# Altium PCB ie-track-kit-arduino-1.PcbDoc (part 1 of 3) (continued)
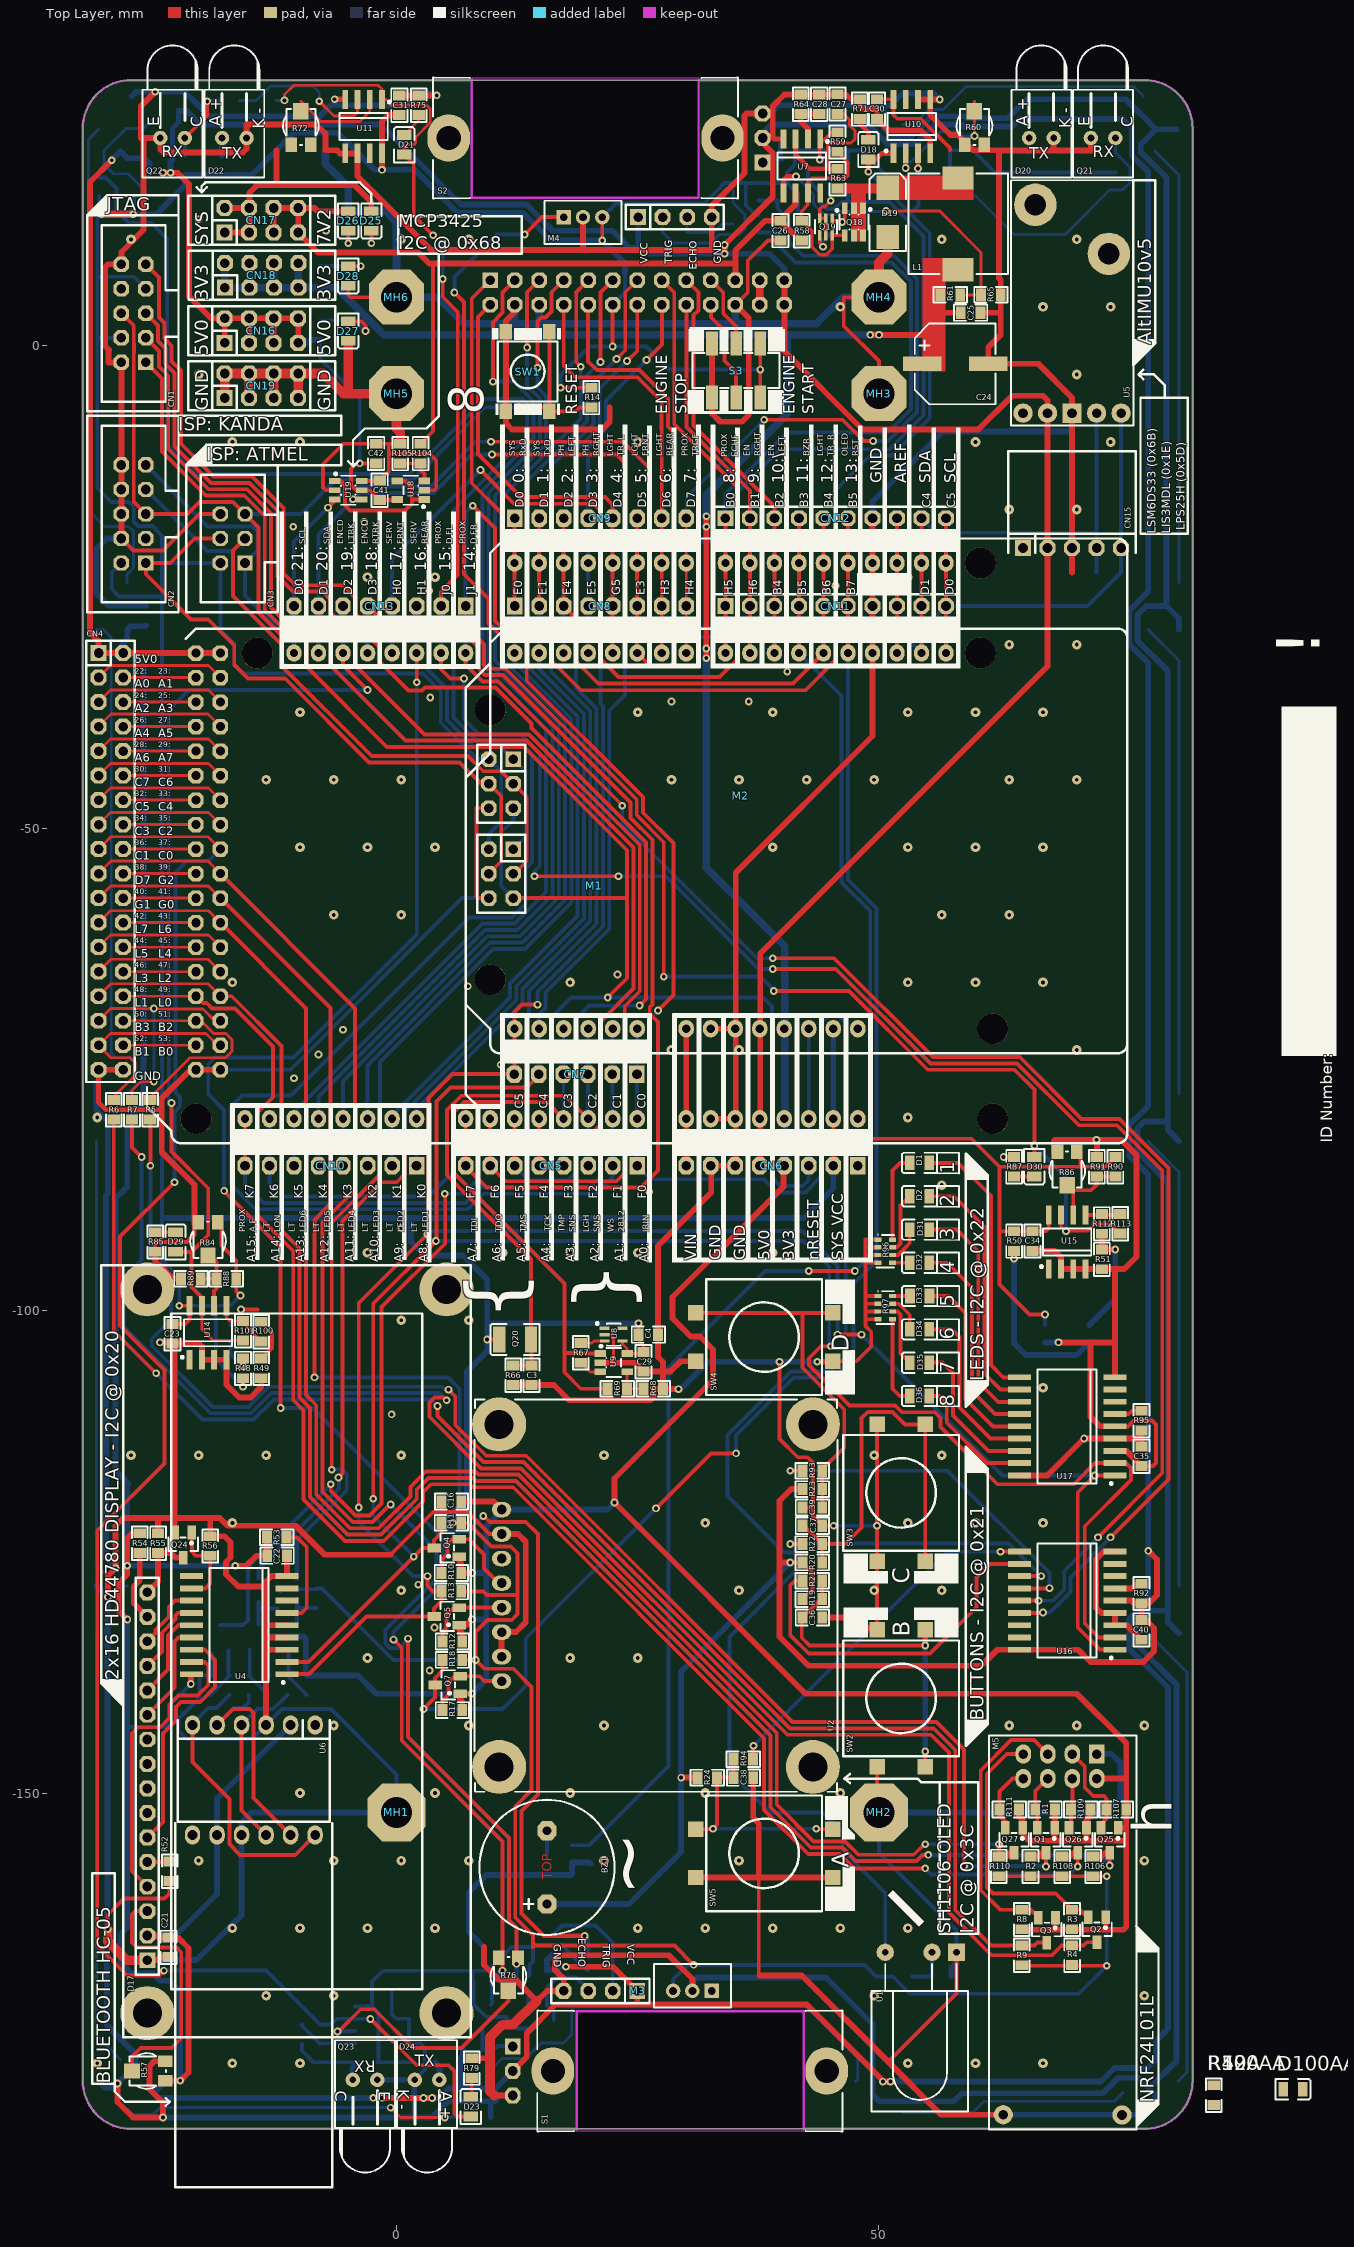
[diagram p0: Top Layer view]
## Footprints (in the part's own frame and the unit in brackets; to place one, negate y for a bottom-side part, rotate by r counter-clockwise, add the part's x,y. Pads: shape width x height; smd on the part's side, far side on the other; paste and mask are expansions set on the pad)
"3mm screw drill I"#1 [mm]
  oct 6x6 hole 3.2: 1(0,0)
  body extent -2.75,-2.75 2.75,2.75, height 2
"3mm screw drill I"#2 [mm]
  oct 5.7x5.7 hole 3.2: 1(0,0)
  body extent -2.75,-2.75 2.75,2.75, height 2
3305SMD [mm] "SRPassives 3305 SMT trimming potentiometer"
  rect 1.2x1.5 smd: 1(-1,-1.95) 2(1,-1.95)
  rect 1.6x1.7 smd: 3(0,1.5)
  silkscreen extent -1.85,-2 1.85,1.75, body extent -1.85,-2 1.85,1.85, height 1.2
"AltIMU-10 v4_REVERSE" [mm] "Pololu Gyro, Accelerometer, Compass, and Altimeter (L3GD20H, LSM303D, and LPS25H Carrier)"
  rect 2x2 hole 1: 1(-1.27,0)
  round 2 hole 1: 3(-1.27,-2.54) 4(-1.27,-5.08) 5(-1.27,2.54) 6(-1.27,5.08)
  round 4.4 hole 2.2: M(-22.86,-3.81) M(-17.78,3.81)
  silkscreen extent -25.4,-6.35 0,6.35, body extent -25.4,-6.35 0,6.35, height 1
ARDUINO_MEGA_UPSIDE_DOWN [mm]
  round 3.2 hole 3.2: 1(-41.275,24.13) 1(-40.005,-24.13) 1(34.925,-24.13) 1(41.275,24.13)
  oct 1.6x1.6 hole 0.95: 5V(38.735,-24.13) 5V(41.275,-24.13) D22(38.735,-21.59) D23(41.275,-21.59) D24(38.735,-19.05) D25(41.275,-19.05) D26(38.735,-16.51) D27(41.275,-16.51) D28(38.735,-13.97) D29(41.275,-13.97) D30(38.735,-11.43) D31(41.275,-11.43) D32(38.735,-8.89) D33(41.275,-8.89) D34(38.735,-6.35) D35(41.275,-6.35) D36(38.735,-3.81) D37(41.275,-3.81) D38(38.735,-1.27) D39(41.275,-1.27) D40(38.735,1.27) D41(41.275,1.27) D42(38.735,3.81) D43(41.275,3.81) D44(38.735,6.35) D45(41.275,6.35) D46(38.735,8.89) D47(41.275,8.89) D48(38.735,11.43) D49(41.275,11.43) D50(38.735,13.97) D51(41.275,13.97) D52(38.735,16.51) D53(41.275,16.51) GND(38.735,19.05) GND(41.275,19.05)
  oval 1.6x1.8 hole 0.85: A0(-4.445,24.13) A1(-1.905,24.13) A2(0.635,24.13) A3(3.175,24.13) A4(5.715,24.13) A5(8.255,24.13) A6(10.795,24.13) A7(13.335,24.13) A8(18.415,24.13) A9(20.955,24.13) A10(23.495,24.13) A11(26.035,24.13) A12(28.575,24.13) A13(31.115,24.13) A14(33.655,24.13) A15(36.195,24.13) AREF(-31.369,-24.13) D0(8.255,-24.13) D1(5.715,-24.13) D2(3.175,-24.13) D3(0.635,-24.13) D4(-1.905,-24.13) D5(-4.445,-24.13) D6(-6.985,-24.13) D7(-9.525,-24.13) D8(-13.589,-24.13) D9(-16.129,-24.13) D10(-18.669,-24.13) D11(-21.209,-24.13) D12(-23.749,-24.13) D13(-26.289,-24.13) D14(13.335,-24.13) D15(15.875,-24.13) D16(18.415,-24.13) D17(20.955,-24.13) D18(23.495,-24.13) D19(26.035,-24.13) D20(28.575,-24.13) D21(31.115,-24.13) GND(-28.829,-24.13) P1(-27.305,24.13) P2(-24.765,24.13) P3(-22.225,24.13) P4(-19.685,24.13) P5(-17.145,24.13) P6(-14.605,24.13) P7(-12.065,24.13) P8(-9.525,24.13) SCL(-36.449,-24.13) SDA(-33.909,-24.13)
  rect 1.6x1.6 hole 1: PROG1(8.382,-3.81)
  oct 1.6x1.6 hole 1: PROG2(10.922,-3.81) PROG3(8.382,-1.27) PROG4(10.922,-1.27) PROG5(8.382,1.27) PROG6(10.922,1.27)
  silkscreen extent -55.24,-26.67 46.35,26.67, body extent -61.59,-26.67 46.36,26.67, height 15.6
ARDUINO_UNO_UPSIDE_DOWN [mm]
  round 3.2 hole 3.2: 1(-26.035,24.13) 1(-24.765,-24.13) 1(26.035,-8.89) 1(26.035,19.05)
  oval 1.6x1.8 hole 0.85: A0(10.795,24.13) A1(13.335,24.13) A2(15.875,24.13) A3(18.415,24.13) A4(20.955,24.13) A5(23.495,24.13) AREF(-16.129,-24.13) D0(23.495,-24.13) D1(20.955,-24.13) D2(18.415,-24.13) D3(15.875,-24.13) D4(13.335,-24.13) D5(10.795,-24.13) D6(8.255,-24.13) D7(5.715,-24.13) D8(1.651,-24.13) D9(-0.889,-24.13) D10(-3.429,-24.13) D11(-5.969,-24.13) D12(-8.509,-24.13) D13(-11.049,-24.13) GND(-13.589,-24.13) P1(-12.065,24.13) P2(-9.525,24.13) P3(-6.985,24.13) P4(-4.445,24.13) P5(-1.905,24.13) P6(0.635,24.13) P7(3.175,24.13) P8(5.715,24.13) SCL(-21.209,-24.13) SDA(-18.669,-24.13)
  rect 1.6x1.6 hole 1: PROG1(23.622,-3.81)
  oct 1.6x1.6 hole 1: PROG2(26.162,-3.81) PROG3(23.622,-1.27) PROG4(26.162,-1.27) PROG5(23.622,1.27) PROG6(26.162,1.27)
  silkscreen extent -40.01,-26.67 28.57,26.67, body extent -46.35,-26.67 28.58,26.67, height 15.55
BUZ-13,8-7,6 [mm] "BUZZER (w or w/o generator), D:13,8mm, P:7,6mm (eg. BPT1412XH7.5)"
  oct 2x2 hole 0.9: 1(-3.8,0) 2(3.8,0)
  silkscreen extent -7,-7 7,7, body extent -7,-7 7,7, height 7.35
C0805 [mil]
  rect 40x50 smd: 1(-40,0) 2(40,0)
  silkscreen extent -68,-33 68,33, body extent -39,-25 39,25, height 31
CES_E_8.3x8.3_6.2 [mm] "SMT Aluminum Electrolytic Capacitor, E Size; base: 8.3x8.3mm, height: 6.2mm"
  rect 1.5x4 smd: 1(0,3.429) 2(0,-3.429)
  silkscreen extent -4.19,-4.19 4.19,4.19, body extent -4.15,-4.5 4.15,4.5, height 6.2
DTSM-25Y [mm] "Diptronics SPST-NO, 50mA/12VDC Yellow TACT Switch"
  rect 1.6x1.6 smd: 1(-7.1,-2.5) 1(7.1,-2.5) 2(-7.1,2.5) 2(7.1,2.5)
  silkscreen extent -6,-6 6,6, body extent -7.5,-6 7.5,6, height 8.5
DTSM-65R [mm] "Diptronics SPST-NO, 50mA/12VDC Red TACT Switch"
  rect 1.6x1.3 smd: 1(-4.125,-2.25) 1(4.125,-2.25) 2(-4.125,2.25) 2(4.125,2.25)
  silkscreen extent -3.1,-3.1 3.1,3.1, body extent -4.54,-3.1 4.54,3.1, height 9.55
GP_4x2 [mil]
  rect 65x65 hole 39.37: 1(0,0)
  oct 65x65 hole 39.37: 2(0,100) 3(100,0) 4(100,100) 5(200,0) 6(200,100) 7(300,0) 8(300,100)
  silkscreen extent -50,-50 350,150, body extent -50,-50 350,150, height 330
GP_5x1H_F [mil]
  rect 65x65 hole 39.37: 1(0,0)
  oct 65x65 hole 39.37: 2(100,0) 3(200,0) 4(300,0) 5(400,0)
  silkscreen extent -60,-20 460,395, body extent -60,-10 460,393, height 97
GP_6X1 [mm]
  rect 1.6x1.8 hole 1: 1(0,0)
  oct 1.6x1.8 hole 1: 2(2.54,0) 3(5.08,0) 4(7.62,0) 5(10.16,0) 6(12.7,0)
  body extent -1.27,-1.27 13.97,1.27, height 8.38
GP_8X1 [mm]
  rect 1.6x1.8 hole 1: 1(0,0)
  oct 1.6x1.8 hole 1: 2(2.54,0) 3(5.08,0) 4(7.62,0) 5(10.16,0) 6(12.7,0) 7(15.24,0) 8(17.78,0)
  body extent -1.27,-1.27 19.05,1.27, height 8.38
GP_10x1 [mil]
  rect 65x65 hole 39.37: 1(0,0)
  oct 62.99x65 hole 39.37: 2(100,0) 3(200,0) 5(400,0) 6(500,0)
  oct 65x65 hole 39.37: 4(300,0) 7(600,0) 8(700,0) 9(800,0) 10(900,0)
  silkscreen extent -50,-50 950,47, body extent -50,-50 950,50, height 330
GP_18x2 [mil]
  rect 65x65 hole 39.37: 1(0,-100)
  oct 65x65 hole 39.37: 2(0,0) 3(100,-100) 4(100,0) 5(200,-100) 6(200,0) 7(300,-100) 8(300,0) 9(400,-100) 10(400,0) 11(500,-100) 12(500,0) 13(600,-100) 14(600,0) 15(700,-100) 16(700,0) 17(800,-100) 18(800,0) 19(900,-100) 20(900,0) 21(1000,-100) 22(1000,0) 23(1100,-100) 24(1100,0) 25(1200,-100) 26(1200,0) 27(1300,-100) 28(1300,0) 29(1400,-100) 30(1400,0) 31(1500,-100) 32(1500,0) 33(1600,-100) 34(1600,0) 35(1700,-100) 36(1700,0)
  silkscreen extent -50,-150 1750,47, body extent -50,-150 1750,50, height 330
HC-05_H_2 [mm] "HC-05 Bluetooth Module, Mounted Horizontally"
  oval 1.6x2 hole 1: 1(-6.35,11.4) 1(6.35,0) 2(-3.81,11.4) 2(3.81,0) 3(-1.27,11.4) 3(1.27,0) 4(-1.27,0) 4(1.27,11.4) 5(-3.81,0) 5(3.81,11.4) 6(-6.35,0) 6(6.35,11.4)
  silkscreen extent -8.13,-0.51 8.13,47.9, body extent -7.87,-0.25 7.87,47.6, height 6.41
HC-SR04_UNIV#1 [mm]
  round 1.5 hole 0.8: 1(-3.667,0) 6(-5.667,0)
  rect 1.5x1.5 hole 0.8: 2(-7.668,0)
  rect 1.651x1.651 hole 1: 3(0.048,0)
  oct 1.651x1.651 hole 1: 4(2.588,0) 5(5.128,0) 6(7.668,0)
  silkscreen extent -9.67,-2.8 8.94,1.7, body extent -9.62,-2.8 8.94,1.7, height 8.38
HC-SR04_UNIV#2 [mm]
  round 1.5 hole 0.8: 1(-3.667,0) 6(-5.667,0)
  rect 1.5x1.5 hole 0.8: 2(-7.668,0)
  rect 1.651x1.651 hole 1: 3(0.048,0)
  oct 1.651x1.651 hole 1: 4(2.588,0)
  oct 1.6x1.651 hole 1: 5(5.128,0) 6(7.668,0)
  silkscreen extent -9.67,-2.8 8.94,1.7, body extent -9.62,-2.8 8.94,1.7, height 8.38
HD-1581HB_VERTICAL_1 [mm]
  rect 1.651x1.651 hole 1: 1(12.946,-2.54)
  oct 1.651x1.651 hole 1: 2(12.946,0) 3(12.946,2.54)
  oval 4.4x4.9 hole 2.5: M(-19.585,0) M(8.785,0)
  Keep-Out Layer board cut-out: -17.15,-6.25 -17.15,6.25 6.35,6.25 6.35,-6.25
  silkscreen extent -21.21,-6.25 10.41,6.25, body extent -21,-6 14.22,6, height 14.95
IDC6 [mm] "2.54mm, 6 Pin IDC Male Connector"
  rect 1.6x1.6 hole 1: 1(-2.54,-1.27)
  oct 1.6x1.6 hole 1: 2(-2.54,1.27) 3(0,-1.27) 4(0,1.27) 5(2.54,-1.27) 6(2.54,1.27)
  silkscreen extent -7.62,-4.64 7.61,4.83, body extent -7.62,-4.57 7.62,4.7, height 9.29
IDC10 [mm] "2.54mm, 10 Pin IDC Male Connector"
  rect 1.6x1.6 hole 1: 1(-5.08,-1.27)
  oct 1.6x1.6 hole 1: 2(-5.08,1.27) 3(-2.54,-1.27) 4(-2.54,1.27) 5(0,-1.27) 6(0,1.27) 7(2.54,-1.27) 8(2.54,1.27) 9(5.08,-1.27) 10(5.08,1.27)
  silkscreen extent -10.16,-4.64 10.16,4.83, body extent -10.16,-4.65 10.16,4.83, height 9.27
IDC26_RA_LONG_W_CN [mm] "2.54mm, 26 Pin IDC Male Connector, Right Angle"
  rect 1.6x1.6 hole 1: 1(-15.24,-1.27)
  oct 1.6x1.6 hole 1: 2(-15.24,1.27) 3(-12.7,-1.27) 4(-12.7,1.27) 5(-10.16,-1.27) 6(-10.16,1.27) 7(-7.62,-1.27) 8(-7.62,1.27) 9(-5.08,-1.27) 10(-5.08,1.27) 11(-2.54,-1.27) 12(-2.54,1.27) 13(0,-1.27) 14(0,1.27) 15(2.54,-1.27) 16(2.54,1.27) 17(5.08,-1.27) 18(5.08,1.27) 19(7.62,-1.27) 20(7.62,1.27) 21(10.16,-1.27) 22(10.16,1.27) 23(12.7,-1.27) 24(12.7,1.27) 25(15.24,-1.27) 26(15.24,1.27)
  silkscreen extent -20.32,3.1 20.32,11.9, body extent -20.37,-1.64 20.31,21.3, height 9.13
JS202011SCQN [mm] "C&K DPDT Switch"
  rect 1.2x2.5 smd: 1(0,2.8) 2(-2.5,2.8) 3(2.5,2.8) 4(-2.5,-2.8) 5(0,-2.8) 6(2.5,-2.8)
  silkscreen extent -4.5,-1.8 4.5,1.8, body extent -4.5,-3.5 4.5,3.5, height 5.5
KPS-3227 [mm]
  rect 1.27x2.7 smd: 1(-1.65,0) 2(1.65,0)
  silkscreen extent -2.52,-1.6 2.58,1.6, body extent -1.6,-1.35 1.6,1.35, height 1.12
KTIR0711S [mm]
  rect 1.2x1 smd: 1(-2.3,-0.9) 2(-2.3,0.9) 3(2.3,0.9) 4(2.3,-0.9)
  silkscreen extent -1.5,-1.7 1.5,1.7, body extent -2.6,-1.7 2.6,1.7, height 1.5
LED0805G [mil]
  rect 40x60 smd: 1(-40,0) 2(40,0)
  silkscreen extent -72,-41 72,41, body extent -40,-25 40,25, height 43
LED0805R [mil]
  rect 40x60 smd: 1(-40,0) 2(40,0)
  silkscreen extent -72,-41 72,41, body extent -40,-25 40,25, height 43
LED0805Y [mil]
  rect 40x60 smd: 1(-40,0) 2(40,0)
  silkscreen extent -72,-41 72,41, body extent -40,-25 40,25, height 43
LED-502 [mm] "FIX&FASTEN"
  round 1.5 hole 0.7: 1(-1.27,0) 2(1.27,0)
  silkscreen extent -3.1,-4.1 3.1,9.6, body extent -3.05,-4.08 3.05,10.4, height 6.17
NRF24L01L [mm]
  rect 2x1.6 hole 1: 1(0,0)
  oval 2x1.6 hole 1: 2(-2.54,0) 3(0,2.54) 4(-2.54,2.54) 5(0,5.08) 6(-2.54,5.08) 7(0,7.62) 8(-2.54,7.62)
  round 2 hole 1: 9(-37.375,9.7) 10(-37.4,-2.6)
  silkscreen extent -38.89,-4.1 1.91,11.2, body extent -46.77,-4.1 1.9,11.2, height 14.24
PSDB1005 [mm] "PSDB Series Shielded SMD Power Inductor"
  rect 2.4x3.2 smd: 1(-4.75,0) 2(4.75,0)
  silkscreen extent -5.2,-5.15 5.2,5.15, body extent -5.2,-5.2 5.2,5.2, height 4.85
R0805 [mil]
  rect 40x50 smd: 1(-40,0) 2(40,0)
  silkscreen extent -68,-32 68,32, body extent -39,-25 39,25, height 31
RC1602B-GHY-CSXD [mm]
  rect 1.6x1.651 hole 1: 1(0,0)
  oct 1.6x1.651 hole 1: 2(2.54,0) 3(5.08,0) 4(7.62,0) 10(22.86,0) 11(25.4,0)
  oct 1.651x1.651 hole 1: 5(10.16,0) 6(12.7,0) 7(15.24,0) 8(17.78,0) 9(20.32,0) 12(27.94,0) 13(30.48,0) 14(33.02,0) 15(35.56,0) 16(38.1,0)
  round 5.6 hole 3: M1(-5.5,0) M1(-5.5,-31) M1(69.5,-31) M1(69.5,0)
  silkscreen extent -8,-33.5 72,2.5, body extent -8,-33.5 72,2.5, height 20.4
RPack_0603x4_1206 [mm] "Chip Resistor Array, (0603x4); SM; 8 Leads; Body 3.40 x 1.80 mm (LxW max), e.g. Bourns CAT16-J4, Panasonic EXBV8V"
  rect 0.45x0.7 smd: 1(-1.2,-0.75) 2(-0.4,-0.75) 3(0.4,-0.75) 4(1.2,-0.75) 5(1.2,0.75) 6(0.4,0.75) 7(-0.4,0.75) 8(-1.2,0.75)
  silkscreen extent -1.75,-0.9 1.7,0.9, body extent -1.6,-0.8 1.6,0.8, height 0.5
SMB [mm]
  rect 2.5x2.3 smd: 1(-2.54,0) 2(2.54,0)
  silkscreen extent -4,-1.9 4,1.9, body extent -2.7,-1.8 2.7,1.8, height 2.3
SO8 [mm] "Small Outline; 8 Leads; Body Width 3.7 mm; Pitch 1.27 mm"
  rect 0.6x2 smd: 1(-1.905,-2.794) 2(-0.635,-2.794) 3(0.635,-2.794) 4(1.905,-2.794) 5(1.905,2.794) 6(0.635,2.794) 7(-0.635,2.794) 8(-1.905,2.794)
  silkscreen extent -2.79,-2.66 2.5,1.4, body extent -2.4,-2.9 2.4,2.9, height 1.75
SO18W [mm]
  rect 0.6x2.4 smd: 1(-5.08,-4.953) 2(-3.81,-4.953) 3(-2.54,-4.953) 4(-1.27,-4.953) 5(0,-4.953) 6(1.27,-4.953) 7(2.54,-4.953) 8(3.81,-4.953) 9(5.08,-4.953) 10(5.08,4.953) 11(3.81,4.953) 12(2.54,4.953) 13(1.27,4.953) 14(0,4.953) 15(-1.27,4.953) 16(-2.54,4.953) 17(-3.81,4.953) 18(-5.08,4.953)
  silkscreen extent -6.05,-4.7 5.91,3.05, body extent -5.76,-5.15 5.77,5.15, height 2.65
SOT-23 [mm]
  rect 0.9x1.4 smd: 1(-0.9,-1.3) 2(0.9,-1.3) 3(0,1.3)
  silkscreen extent -1.52,-0.76 1.52,0.64, body extent -1.46,-1.25 1.46,1.23, height 1
SOT-23-5 [mm] ", AKA: SOT753 (NXP), TSOP5 (NXP)"
  rect 0.7x1.2 smd: 1(-0.95,-1.4) 2(0,-1.4) 3(0.95,-1.4) 4(0.95,1.4) 5(-0.95,1.4)
  silkscreen extent -1.82,-1.42 1.5,0.76, body extent -1.45,-1.4 1.45,1.4, height 1.14
SOT-23-6 [mm] "SOT23-6, AKA: SOT-26 (Diodes), SuperSOT-6 (Fairchild), SOT753 (NXP), TSOP5 (NXP)"
  rect 0.6x1.2 smd mask+0.07: 1(-0.95,-1.4) 2(0,-1.4) 3(0.95,-1.4) 4(0.95,1.4) 5(0,1.4) 6(-0.95,1.4)
  silkscreen extent -1.83,-1.42 1.5,0.76, body extent -1.4,-1.21 1.4,1.21, height 1.09
"SOT-323-5 (SOT-353, SC70-5)" [mm] "SOT-353/SC-88A; 5 Leads; Body 2.2 x 2.2 mm, inc. leads (LxW max)"
  rect 0.35x1.05 smd: 1(-0.65,-0.925) 2(0,-0.925) 5(-0.65,0.925)
  rect 0.35x1 smd: 3(0.65,-0.925) 4(0.65,0.925)
  silkscreen extent -1.27,-1.82 1.15,0.7, body extent -1.05,-1.12 1.05,1.18, height 1
"SOT-323-6 (SOT-363, SC88, SC70-6)" [mm] "SOT-363; 6 Leads; Body 2.2 x 2.2 mm, inc. leads (LxW max)"
  rect 0.35x1.05 smd: 1(-0.65,-0.875) 2(0,-0.875) 3(0.65,-0.875) 4(0.65,0.875) 5(0,0.875) 6(-0.65,0.875)
  silkscreen extent -1.28,-1.82 1.15,0.7, body extent -1.05,-1.15 1.05,1.15, height 1
TSOP312(4)_H [mm]
  rect 1.8x1.8 hole 0.7: 1(0,0)
  round 1.8 hole 0.7: 2(2.54,0) 3(7.392,0)
  silkscreen extent -1.2,1.2 8.8,16.5, body extent -1.2,-0.2 8.8,16.5, height 5.95
WAVESHARE_1.3INCH_OLED [mm]
  round 5.6 hole 3: 0(-17.75,-16.25) 0(-17.75,16.25) 0(17.75,-16.25) 0(17.75,16.25)
  oval 1.6x2 hole 1: 1(8.92,16) 2(6.38,16) 3(3.84,16) 4(1.3,16) 5(-1.24,16) 6(-3.78,16) 7(-6.32,16) 8(-8.86,16)
  silkscreen extent -20.32,-18.8 20.32,18.8, body extent -20.32,-18.77 20.32,18.77, height 2.2
WS2812B [mm] "WS2812B Addressable RGB LED"
  rect 1.5x1.1 smd: 1(-2.45,1.6) 2(-2.45,-1.6) 3(2.45,-1.6) 4(2.45,1.6)
  silkscreen extent -2.55,-2.8 2.85,2.5, body extent -2.65,-2.5 2.65,2.5, height 1.6

## Part data
BZ1: "Piezoelectric Sound Transducer: 5Vp-p; 4kHz; O:14mm; with generator", Published=24-Mar-1999, Publisher="Altium Limited", Revision="July-2002: Re-released for DXP Platform."
C2 C3 C4 C5 C6 C7 C8 C9 C10 C11 C12 C13 C14 C15 C16 C17 C18 C19 C20 C21 C22 C23 C25 C26 C27 C28 C29 C30 C31 C32 C34 C35 C36 C37 C38 C39 C40 C41 C42: library part Cap, "Capacitor", ComponentLink1Description=datasheet, ComponentLink2Description=supplier
C24: library part "Cap Pol", "Polarized Capacitor", ComponentLink1Description=datasheet, ComponentLink2Description=supplier
CN1: "JTAG Header for AVR MCU's"
CN2: "Kanda ISP Programming Header for AVR MCU's"
CN3: "ISP Programming Header for AVR MCU's"
CN20: library part CN_13x2
D1 D2 D18 D21 D23 D25 D26 D29 D30 D31 D32 D33 D34 D35 D36: library part LED_RED, "RED LED", Published=04-Apr-2006
D3 D4 D5 D6 D7 D8 D9 D10 D11 D12 D13 D14 D15 D16: "Intelligent control LED integrated light source"
D17: "16x2 LCD Display"
D19: "Schottky barrier rectifier: 40V, 1A", PackageReference=SMB, Published=22-Nov-2006, Supplier 1=TME, Supplier 2=Farnell, Supplier Part Number 1=MBRS140T3G, Supplier Part Number 2=1467526
D20 D22 D24: "IR transmitter; 5mm; 850nm; transparent; 230mW; 10°; THT; 1.5÷1.8V", Published=04-Apr-2006
D27 D100AA: library part LED_GREEN, "GREEN LED", Published=04-Apr-2006
D28: "YELLOW LED", Published=04-Apr-2006
L1: library part PSDB1005NT100, "10uH, 20%, 3,45A, PSDB1005N Series Inductor", ComponentLink1Description=datasheet, ComponentLink2Description=supplier, Published=08-Mar-2006, Supplier 1=TME, Supplier Part Number 1=PSDB1005NT100
M1: "Arduino MEGA Rev3 Board"
M2: "Arduino UNO Rev3 Board"
M3 M4: library part HC-SR04_UNIVERSAL
M5: "Long Range Wireless Module R2 (1.1KM, PA+SMA)"
MH1 MH2 MH3 MH4 MH5 MH6: library part MHOLE_3MM, "3mm Mounting Hole"
Q1 Q2 Q3 Q4 Q5 Q6 Q7 Q8 Q9 Q10 Q11 Q12 Q13 Q14 Q15 Q16 Q17 Q24 Q25 Q26 Q27: "N-Channel Enhancement Mode Vertical DMOS FET", ComponentLink1Description="Manufacturer Link", ComponentLink1URL=http://www.zetex.com/, ComponentLink2Description=Datasheet, ComponentLink2URL=www.zetex.com/3.0/pdf/BSS138.pdf, DatasheetVersion=Mar-96, PackageDescription="SOT-23; 3 Leads; Body 3.1 x 2.5 mm, inc. leads (LxW max), Alternate Lead Configuration", PackageReference=SOT23, PackageVersion=1996, Published=17-Dec-2003, Publisher="Altium Limited"
Q18: "P-Channel MOSFET; -60V, -5A, 1.3W;", Supplier 1=TME, Supplier Part Number 1=AO6401A
Q19: "PNP/NPN General Purpose Transistor (VCE=45V, IC=100mA)", Supplier Part Number 1=BC847BPN.115, Supplier 1=TME, Supplier 2=Farnell, Supplier 3=Farnell, Supplier 4=Farnell, Supplier Part Number 2=2336824, Supplier Part Number 3=1081233RL, Supplier Part Number 4=1081233
Q20: "Photo Transistor 60V 0,1mA 580nm (TME KPS-3227SP1C)", Supplier Part Number 1=ELPT15-21C, Supplier 1=TME
Q21 Q22 Q23: "Phototransistor; ?p max:850nm; 70V; 20°; Lens: transparent; O:5mm", Supplier Part Number 1=ELPT15-21C, Supplier 1=TME
R1 R2 R3 R4 R5 R6 R7 R8 R9 R10 R11 R12 R13 R14 R15 R16 R17 R18 R19 R20 R21 R22 R23 R24 R25 R26 R27 R28 R29 R30 R31 R32 R33 R34 R35 R36 R37 R38 R39 R40 R41 R42 R43 R44 R45 R46 R47 R48 R49 R49A R50 R51 R52 R52A R53 R54 R55 R56 R58 R59 R61 R62 R63 R64 R65 R66 R67 R68 R69 R70 R71 R73 R74 R75 R77 R78 R79 R80 R81 R82 R83 R85 R87 R88 R89 R90 R91 R92 R93 R94 R95 R98 R99 R100 R100AA R101 R102 R103 R104 R105 R106 R107 R108 R109 R110 R111 R112 R113 R114 R115: library part Res, "Resistor", ComponentLink1Description=datasheet, ComponentLink2Description=supplier, Published=19-Feb-2006
R57 R60 R72 R76 R84 R86: library part 3305SMD-10K, "3305SMD-10K", ComponentLink1Description=datasheet, ComponentLink2Description=supplier, Published=21-10-2009
R96 R97: library part "Res Pack4_1", "Isolated Resistor Network - Parts", Code_JEDEC=MO-001-AC, LatestRevisionDate=17-Jul-2002, LatestRevisionNote="Re-released for DXP Platform.", PackageReference=DIP-16, Published=24-Mar-1999, Publisher="Altium Limited", Sim Note="Enter the Resistance value into parameter field."
S1 S2: "HD-1581HB Micro Servo"
S3: "C&K JS202011SCQN DPDT Switch", Supplier Part Number 1=2320019RL, Published=24-Mar-1999, Publisher="Altium Limited", Revision="July-2002: Re-released for DXP Platform.", Supplier 1=Farnell, Supplier 2=Farnell, Supplier Part Number 2=2320019
S4 S5: "SUBMINIATURE, HIGH SENSITIVITY PHOTOINTERRUPTER"
SW1: "DIPTRONICS Red 6x6mm SMD Tactile SPST-NO Switch", Supplier Part Number 1=DTSM-65R-V-B, Supplier 1=TME
SW2 SW3 SW4 SW5: "DIPTRONICS Yellow 12x12mm SMD Tactile SPST-NO Switch", Supplier Part Number 1=DTSM-25Y-V-B, Supplier 1=TME
U1: "36kHz IR Receiver Module for Remote Control Systems"
U2: library part WaveShare_1.3inch_OLED, "DEP096032B-W OLED Display"
U4 U16 U17: "8-Bit I/O Expander with Serial Interface I2C, 18-Pin SOIC Package"
U5: "Pololu Gyro, Accelerometer, Compass, and Altimeter (L3GD20H, LSM303D, and LPS25H Carrier)"
U6: library part HC-05_BTM, "HC-05 Bluetooth Module"
U7: "DC-DC Converter NCP3063BDR2G (Farnell 1547126)", Supplier Part Number 1=1547126, PackageReference=SO8, Published=22-Nov-2006, Supplier 1=Farnell, Supplier 2=Farnell, Supplier 3=Farnell, Supplier Part Number 2=2126136, Supplier Part Number 3=1547126RL
U8: "Low-Power Linear Active Thermistor IC"
U9: "Rail-to-rail, 1MHz, 100uA Op Amp", Supplier Part Number 1=4974992, Supplier 1=Farnell, Supplier 2=Farnell, Supplier 3=Farnell, Supplier 4=TME, Supplier 5=TME, Supplier 6=Farnell, Supplier Part Number 2=2412853, Supplier Part Number 3=4974992RL, Supplier Part Number 4=TS912ID, Supplier Part Number 5=MCP6001T-I/OT, Supplier Part Number 6=1094386
U10 U11 U12 U14 U15: "Low power dual voltage comparators", Published=03-Apr-2006
U18: "Rail-to-rail, 1MHz, 100uA Op Amp", Supplier Part Number 1=1825040, Supplier 1=Farnell, Supplier 2=TME, Supplier Part Number 2=MCP6401T-E/OT
U19: "16-Bit Analog-to-Digital Converter with I2C Interface and On-Board Reference", Supplier Part Number 1=1578433, Supplier 1=Farnell, Supplier 2=Farnell, Supplier 3=Farnell, Supplier 4=TME, Supplier Part Number 2=2371380, Supplier Part Number 3=1578433RL, Supplier Part Number 4=MCP3425A0T-ECH

## Via types
v1: diameter 0.8, hole 0.4, Top Layer to Bottom Layer, tented both sides, 219 vias
v2: diameter 1, hole 0.4, Top Layer to Bottom Layer, tented both sides, 123 vias

## Nets (pads, with @x,y where several pads share a name; then routed paths per layer and width w, separated by ;. In a path a pad name is that pad's centre, name@x,y a point inside that pad or via, vN(x,y) a via of type N, cw(c..) or ccw(c..) an arc to the next point about the centre after c; other vN are vias at no path point)
3V3: C16.2 C24.1 C25.2 CN6.4 CN18.1 CN18.2 CN18.3 CN18.4 CN18.5 CN18.6 CN18.7 CN18.8 L1.2 M1.P4 M2.P4 M5.2 Q1.1 Q2.1 Q3.1 Q4.1 Q5.1 Q7.1 Q8.1 Q9.1 Q25.1 Q26.1 Q27.1 R1.2 R3.2 R8.2 R10.2 R12.2 R17.2 R25.1 R29.1 R61.2 R81.1 R107.1 R109.1 R111.1 U2.1 | length 430.1
  Top Layer w0.6: Q4.1@6.5,-125.5 6.5,-126 6.716,-126.216 R10.2@6.716,-127.2 v1(7.84,-127.2) ; C16.2@6.716,-119.8 10.08,-119.8 U2.1@10.9,-120.62 ; R17.2@6.816,-141.4 6.816,-140.5 6.6,-140.284 Q7.1@6.6,-139.7 v1(7.796,-139.7) ; R12.2@6.816,-134.3 6.816,-133.42 6.5,-133.104 Q5.1@6.5,-132.6 7.24,-132.6 v1(7.84,-132) ; v1(32.1,-32.4) 32.1,-18.8 v1(32.113,-18.787) v1@32.113,-17.905 ; CN6.4@40.24,-85 40.096,-85.144 40.096,-87.171 32.668,-94.6 32.6,-94.6 28.6,-98.6 28.6,-100.8 30.5,-102.7 31.45,-102.7 32.8,-104.05 32.8,-107.2 22.6,-117.4 v1(22.6,-119.9) 42.4,-139.7 44.392,-139.7 70.5,-139.7 75.616,-144.816 75.616,-148.5 ; v1(49.1,1.1) v1(50,1.1) 55,1.1 ; C24.1@53.295,-1.9 C24.1@54.471,-1.9 ; 55.67,3.4 C25.2@58.484,3.4 ; R111.1@64.516,-151.7 64.516,-152.416 64.9,-152.8 Q27.1@64.9,-153.6 64.9,-154.3 65.546,-154.946 68.3,-154.946 ; R8.2@64.8,-164.116 64.838,-164.154 68.4,-164.154 ; R1.2@68.232,-151.7 68.232,-153.568 Q1.1@68.2,-153.6 68.2,-154.846 68.3,-154.946 ; Q3.1@68.3,-162.9 68.3,-164.054 68.4,-164.154 ; R109.1@71.916,-151.7 71.916,-152.384 71.5,-152.8 Q26.1@71.5,-153.6 71.5,-154.946 ; M5.2@72.58,-148.5 75.616,-148.5 ; Q2.1@73.5,-162.854 73.5,-164.054 73.4,-164.154 ; Q25.1@74.8,-153.6 75.616,-153.6 ; 68.3,-154.946 71.5,-154.946 ; 68.4,-164.154 73.4,-164.154 ; 71.5,-154.946 75.454,-154.946 75.616,-154.784 ; 73.4,-164.154 75.346,-164.154 75.616,-163.884 75.616,-154.784 ; 75.616,-154.784 75.616,-153.6 ; 75.616,-153.6 R107.1@75.616,-151.7 75.616,-148.5
  Bottom Layer w0.6: R25.1@-13.3,-137.793 -13.4,-137.693 Q8.1@-13.4,-135.125 -13.4,-133.945 -13.234,-133.779 -9.6,-133.779 -9.4,-133.979 Q9.1@-9.4,-135.125 -9.4,-137.709 R29.1@-9.3,-137.809 -3.991,-137.809 -2.1,-139.7 v1(7.796,-139.7) 9.3,-138.196 9.3,-132.2 9.1,-132 ; v1(7.84,-132) 9.1,-132 ; v1(7.84,-127.2) 9.1,-127.2 ; v1(22.6,-119.9) 21.88,-120.62 U2.1@10.9,-120.62 10.9,-120.749 9.3,-122.349 9.3,-132 9.1,-132
  Bottom Layer w0.8: CN18.2@-17.785,8.53 CN18.1@-17.785,5.99 CN18.3@-15.245,5.99 ; CN18.4@-15.245,8.53 CN18.3@-15.245,5.99 ; CN18.6@-12.705,8.53 CN18.5@-12.705,5.99 ; CN18.8@-10.165,8.53 CN18.7@-10.165,5.99 ; v1(32.1,-31.4) v1(32.1,-32.4) 32.1,-54.1 40.24,-62.24 CN6.4@40.24,-85 ; v1(32.113,-18.787) v1(32.113,-17.7) 32.113,-15.488 40.5,-7.1 40.5,1.1 ; v1(50,1.1) v1(49.1,1.1) 40.5,1.1 ; CN18.3@-15.245,5.99 CN18.5@-12.705,5.99 ; CN18.5@-12.705,5.99 CN18.7@-10.165,5.99 ; CN18.7@-10.165,5.99 -6.19,5.99 -1.3,1.1 1.8,1.1 40.5,1.1
5V0: BZ1.1 C6.1 C7.2 C8.1 C9.2 C10.1 C11.2 C12.1 C13.2 C14.1 C15.2 C17.1 C18.2 C19.1 C20.2 C21.2 C22.2 C35.2 C40.2 C41.1 C42.1 CN4.1 CN4.2 CN6.5 CN15.2 CN16.1 CN16.2 CN16.3 CN16.4 CN16.5 CN16.6 CN16.7 CN16.8 CN20.25 CN20.26 D3.1 D4.1 D5.1 D6.1 D7.1 D8.1 D9.1 D10.1 D11.1 D12.1 D13.1 D14.1 D15.1 D16.1 D17.2 M1.5V M1.P5 M2.P5 M3.3 M4.3 R19.2 R20.2 R23.2 R24.2 R35.2 R37.2 R39.2 R41.2 R43.2 R45.2 R47.2 R53.1 R54.1 R57.1 R80.1 R92.1 R95.1 S1.2 S2.2 U4.18 U5.3 U6.5 U16.5 U16.18 U17.4 U17.18 U18.5 U19.5 | length 1153.8
  Top Layer w0.4: C42.1@-1.7,-12.216 C42.1@-2.1,-12.216 v1(-3.8,-12.216) -4.135,-12.216 -4.7,-12.781 -4.7,-14.233 -4.692,-14.241 -4.692,-14.508 -4.2,-15 U19.5@-3.6,-15 -2.757,-15 C41.1@-1.741,-16.016 0.034,-16.016 U18.5@0.1,-15.95 ; 39.7,-126.2 39.8,-126.1 ; v1(40.8,-126.1) R20.2@42.084,-126.1 43.1,-127.116 43.1,-128.884 R19.2@42.084,-129.9
  Top Layer w0.6: v1@-29.55,19.25 -29.55,19.15 -31.754,16.946 -31.754,-29.746 -30.864,-30.636 CN4.1@-30.864,-31.87 CN4.2@-28.324,-31.87 M1.5V@-20.775,-31.87 M1.5V@-18.235,-31.87 ; v1(-27.884,-132.016) -28.8,-131.1 -28.8,-128.22 -27.9,-127.32 v1(-27.9,-126.45) -27.9,-123.584 -27.4,-123.084 R54.1@-26.6,-123.084 ; D17.2@-25.816,-164.766 -24.8,-164.766 -24.566,-165 -22.6,-165 -21.546,-166.054 -21.546,-178.946 v1(-22.4,-179.8) R57.1@-23.95,-179.8 ; v1(-24.2,17.9) v1(-23.4,17.9) -22.7,17.9 -21.5,16.7 -21.5,5.1 -19.215,2.815 CN16.2@-17.8,2.815 ; v1(-21.3,-138.7) -21.3,-137.833 -21.2,-137.733 U4.18@-21.253,-137.68 ; CN16.1@-17.8,0.275 CN16.2@-17.8,2.815 ; v1(-16.7,-126.45) -15.559,-126.45 -14.509,-125.4 C22.2@-13.379,-125.4 -13.416,-125.363 R53.1@-13.416,-123.5 ; CN16.3@-15.26,0.275 CN16.4@-15.26,2.815 ; CN16.5@-12.72,0.275 CN16.6@-12.72,2.815 ; CN16.7@-10.18,0.275 CN16.8@-10.18,2.815 CN16.6@-12.72,2.815 ; v1(-2.4,-181.584) v1(-1.5,-181.584) ; v1@-1.5,-181.6 v1(2.8,-181.6) v1(3.7,-181.6) ; S1.2@12.054,-178.8 13.5,-177.354 13.5,-174.9 16.481,-171.919 24.8,-171.919 ; v1(17.554,-168) 22.453,-168 M3.3@24.953,-170.5 24.953,-171.767 24.8,-171.919 ; v1(29.5,-148.4) R24.2@31.184,-148.4 ; v1(34,9.5) v1(34,10.423) 39,15.423 39,19.946 S2.2@37.446,21.5 ; CN6.5@37.7,-85 37.7,-63 67.47,-33.23 67.47,-23.52 CN15.2@67.47,-20.98 U5.3@67.47,-7.01 67.47,-5.67 67,-5.2 63.8,-5.2 60.3,-8.7 48.3,-8.7 40.2,-0.6 CN20.26@40.2,4.23 CN20.25@40.2,6.77 ; 39.8,-126.1 v1(40.8,-126.1) ; R23.2@42.084,-118.5 40.9,-118.5 39.7,-119.7 39.7,-126.2 39.7,-133.8 42.7,-136.8 60.6,-136.8 62.26,-135.14 U16.18@64.547,-135.14 70.64,-135.14 71.91,-136.41 77.39,-136.41 78.5,-135.3 78.5,-132.9 77.674,-132.074 C40.2@77.2,-132.074 R92.1@77.2,-130.341 ; v1(51.2,-179.9) 50.505,-179.9 42.525,-171.919 24.8,-171.919 ; U17.18@64.547,-117.08 67.449,-117.08 v1(71.259,-113.27) U17.4@74.453,-113.27 77.13,-113.27 ; U16.5@74.453,-130.06 76.16,-130.06 76.441,-130.341 R92.1@77.2,-130.341 ; C35.2@77.2,-114.084 77.2,-113.34 ; v1(77.9,-124.9) 78.8,-125.8 78.8,-129.5 77.959,-130.341 R92.1@77.2,-130.341 ; CN16.2@-17.8,2.815 CN16.4@-15.26,2.815 ; CN16.4@-15.26,2.815 CN16.6@-12.72,2.815 ; 77.13,-113.27 77.13,-112.486 R95.1@77.2,-112.416 77.2,-113.34 ; 77.13,-113.27 77.2,-113.34
  Bottom Layer w0.4: -27.9,-143.2 -27.86,-143.16 -24.06,-143.16 -23.239,-142.339 -23.239,-140.638 v1(-21.3,-138.7) ; R80.1@-7.9,0.584 -7.9,-1.4 -3.8,-5.5 v1(-3.8,-12.216)
  Bottom Layer w0.5: -23.2,20.7 -23.2,22.5 -22.6,23.1 C6.1@-22.6,24.284
  Bottom Layer w0.6: v1(-29.5,19.2) -29.5,19.237 D3.1@-28.601,20.136 -27.865,19.4 -26.1,19.4 -25.555,18.855 R47.2@-25.555,17.862 ; v1(-27.9,-126.45) -27.9,-118 -27.8,-117.9 -29.1,-116.6 -29.1,-88.4 -27.884,-87.184 C8.1@-27.884,-84.4 -27.884,-82.466 D5.1@-27.9,-82.45 -27.9,-80.2 -26.2,-78.5 -26.2,-33.2 -27.53,-31.87 CN4.2@-28.324,-31.87 -28.324,-30.824 -27.9,-30.4 D4.1@-27.9,-29.45 -27.55,-29.1 -26.06,-29.1 C7.2@-25.96,-29 ; v1(-27.884,-132.016) -27.9,-132.032 D6.1@-27.9,-133.45 -27.9,-143.2 -27.9,-163.9 -28.6,-164.6 -28.6,-167.5 -27.4,-168.7 -25.226,-168.7 -24.474,-169.452 -23.548,-169.452 -22.4,-170.6 v1(-22.4,-179.8) -23.873,-179.8 D7.1@-25.136,-181.063 -24.616,-181.584 C10.1@-22.9,-181.584 v1(-2.4,-181.584) v1(-1.5,-181.584) ; -27.399,-126.45 v1(-16.7,-126.45) ; D17.2@-25.816,-164.766 -22.9,-164.766 -18.591,-160.457 U6.5@-18.591,-154.341 -18.591,-150.561 U6.5@-10.971,-142.941 ; v1(-24.2,17.9) v1(-23.4,17.9) -23.4,19.1 -23.2,19.3 -23.2,20.7 ; C6.1@-22.6,24.3 -21.7,24.3 -20.3,22.9 D16.1@-2.65,22.9 -1.599,22.9 6.682,14.619 13.481,14.619 16.2,11.9 22.4,11.9 24.213,10.087 25.1,10.087 ; CN16.7@-10.18,0.275 -9.225,0.275 -8.916,0.584 R80.1@-7.9,0.584 ; v1(2.8,-181.6) v1(3.7,-181.6) 4.407,-181.6 4.929,-181.078 5.407,-180.6 6.5,-180.6 ; R37.2@6.868,-176.6 6.868,-177.232 6.6,-177.5 6.6,-178.643 6.581,-178.662 6.581,-180.519 6.5,-180.6 ; S1.2@12.554,-178.8 S1.2@12.054,-178.8 10.254,-180.6 6.5,-180.6 ; BZ1.1@15.6,-161.5 24.1,-161.5 29.5,-156.1 v1(29.5,-148.4) 29.5,-137.4 v1(40.8,-126.1) ; R35.2@16.2,-166.716 15.6,-167.316 R39.2@15.6,-168.384 15.638,-168.346 16.554,-168.346 16.9,-168 v1(17.554,-168) ; M4.3@25.048,13.3 25.048,10.14 25.1,10.087 ; v1(34,10.423) v1(34,9.5) ; S2.2@37.446,21.5 38.846,22.9 R43.2@39.8,22.9 ; R43.2@39.8,22.913 39.813,22.9 C19.1@45.6,22.9 D15.1@47.55,22.9 48.892,22.9 50.946,20.846 53.754,20.846 55.803,22.895 58.544,22.895 58.739,22.7 63.81,22.7 64.594,23.484 C18.2@72.9,23.484 75.019,23.484 D14.1@75.136,23.601 76.2,22.537 76.2,19.7 77.9,18 D13.1@77.9,-24.55 77.9,-25.5 75.942,-27.458 75.942,-30.95 77.9,-32.908 D12.1@77.9,-77.55 77.9,-78.8 77.154,-79.546 77.146,-79.546 75.942,-80.75 75.942,-83.95 77.9,-85.908 77.9,-113.3 ; CN20.26@40.2,4.23 CN20.25@40.2,6.77 40.2,7.969 38.669,9.5 v1(34,9.5) ; v1@50.4,-179.9 v1(51.2,-179.9) 52.05,-179.9 52.25,-179.7 52.45,-179.9 D9.1@52.7,-179.9 C12.1@54.409,-179.9 73,-179.9 74.4,-178.5 77.835,-178.5 D10.1@78.737,-177.598 78.737,-175.647 C13.2@78.784,-175.6 79.962,-174.422 79.962,-139.07 75.942,-135.05 75.942,-131.95 77.646,-130.246 77.654,-130.246 77.9,-130 D11.1@77.9,-128.55 v1(77.9,-124.9) 77.9,-113.3 ; v1(71.259,-113.27) 77.87,-113.27 77.9,-113.3 ; 25.1,10.087 25.687,9.5 v1(34,9.5)
  other v1: 50.4,-179.9
7V2: C26.2 CN17.5 CN17.6 CN17.7 CN17.8 CN20.21 D26.1 R58.1 R104.1 U7.6 | length 94.4
  Top Layer w0.4: R104.1@2.5,-10.184 3.8,-8.884 3.8,8.4 3.9,8.5
  Top Layer w0.6: CN17.5@-12.72,11.705 CN17.6@-12.72,14.245 CN17.8@-10.18,14.245 ; D26.1@-5,13.916 -8.147,13.916 -8.476,14.245 CN17.8@-10.18,14.245 ; CN20.21@35.12,6.77 35.12,8.5 ; U7.6@41.365,15.806 41.365,14.639 39.8,13.074 C26.2@39.8,12.916 ; R58.1@42,10.884 41.832,10.884 C26.2@39.8,12.916 ; CN17.8@-10.18,14.245 CN17.7@-10.18,11.705 -8.121,9.646 2.254,9.646 3.4,8.5 3.9,8.5 35.12,8.5 ; 35.12,8.5 35.12,9.845 38.191,12.916 C26.2@39.8,12.916
ANALOG_F: CN10.8 M1.A15 M4.2 | length 174
  Top Layer w0.4: CN10.8@-15.695,-85 M1.A15@-15.695,-80.13 ; v1(6,5.5) 7,4.5 7,-23.7 9.546,-26.246 9.546,-28.796 10.704,-29.954 12.654,-29.954 13.5,-30.8 13.5,-34.742 25.562,-46.804 25.562,-48.413 28.7,-51.551 28.7,-67.3 v1(27.1,-68.9) ; v1(13.3,11.5) 15.1,13.3 M4.2@17.333,13.3
  Bottom Layer w0.4: M1.A15@-15.695,-80.13 CN10.8@-15.695,-85 -15.695,-86.927 -13.776,-88.846 7.154,-88.846 8.8,-87.2 20.045,-87.2 21.151,-86.094 21.151,-80.939 21.126,-80.914 21.126,-70.206 21.901,-69.431 26.569,-69.431 v1(27.1,-68.9) ; v1(6,5.5) 6,7.1 10.4,11.5 v1(13.3,11.5)
ANALOG_R: M3.2
AREF: CN11.8 CN12.8 M1.AREF M2.AREF | length 14
  Top Layer w0.4: M1.AREF@51.869,-31.87 CN11.8@51.869,-27 M2.AREF@51.869,-22.54 CN12.8@51.869,-17.9
BNT1: R94.1 U16.10 | length 37.3
  Top Layer w0.4: R94.1@36.955,-146.5 36.955,-145.145 v1(37,-145.1) ; v1(62.6,-125) 62.62,-124.98 U16.10@64.547,-124.98
  Bottom Layer w0.4: v1(37,-145.1) 57.1,-125 v1(62.6,-125)
BNT2: R21.1 U16.11 | length 36.8
  Top Layer w0.4: R21.1@42.084,-128 41.309,-128 40.8,-128.509 40.8,-133.635 42.719,-135.554 55.292,-135.554 60.1,-130.746 60.1,-127.656 61.506,-126.25 U16.11@64.547,-126.25
BNT3: R22.1 U16.12 | length 31
  Top Layer w0.4: v1(40.8,-124.2) R22.1@42.084,-124.2 ; U16.12@64.547,-127.52 v1(66.82,-127.52)
  Bottom Layer w0.4: v1(40.8,-124.2) 40.854,-124.146 63.446,-124.146 v1(66.82,-127.52)
BNT4: R93.1 U16.13 | length 37.3
  Top Layer w0.4: v1(40.8,-116.6) R93.1@42.084,-116.6 ; U16.13@64.547,-128.79 67.648,-128.79 v1(67.674,-128.764)
  Bottom Layer w0.4: v1(40.8,-116.6) 57.17,-116.6 57.17,-116.662 67.674,-127.166 v1(67.674,-128.764)